# Altium PCB TCM.PcbDoc (part 10 of 10)
Units mm, origin at the board's own origin, x right, y up, seen from the top; angles counter-clockwise.
Board outline 280.25 x 366.95 mm, 6 copper layers (Top, L2, L3, L4, L5, Bot), stack 1.536 mm thick; 503 components, 762 nets, 3201 pads, 1645 vias.
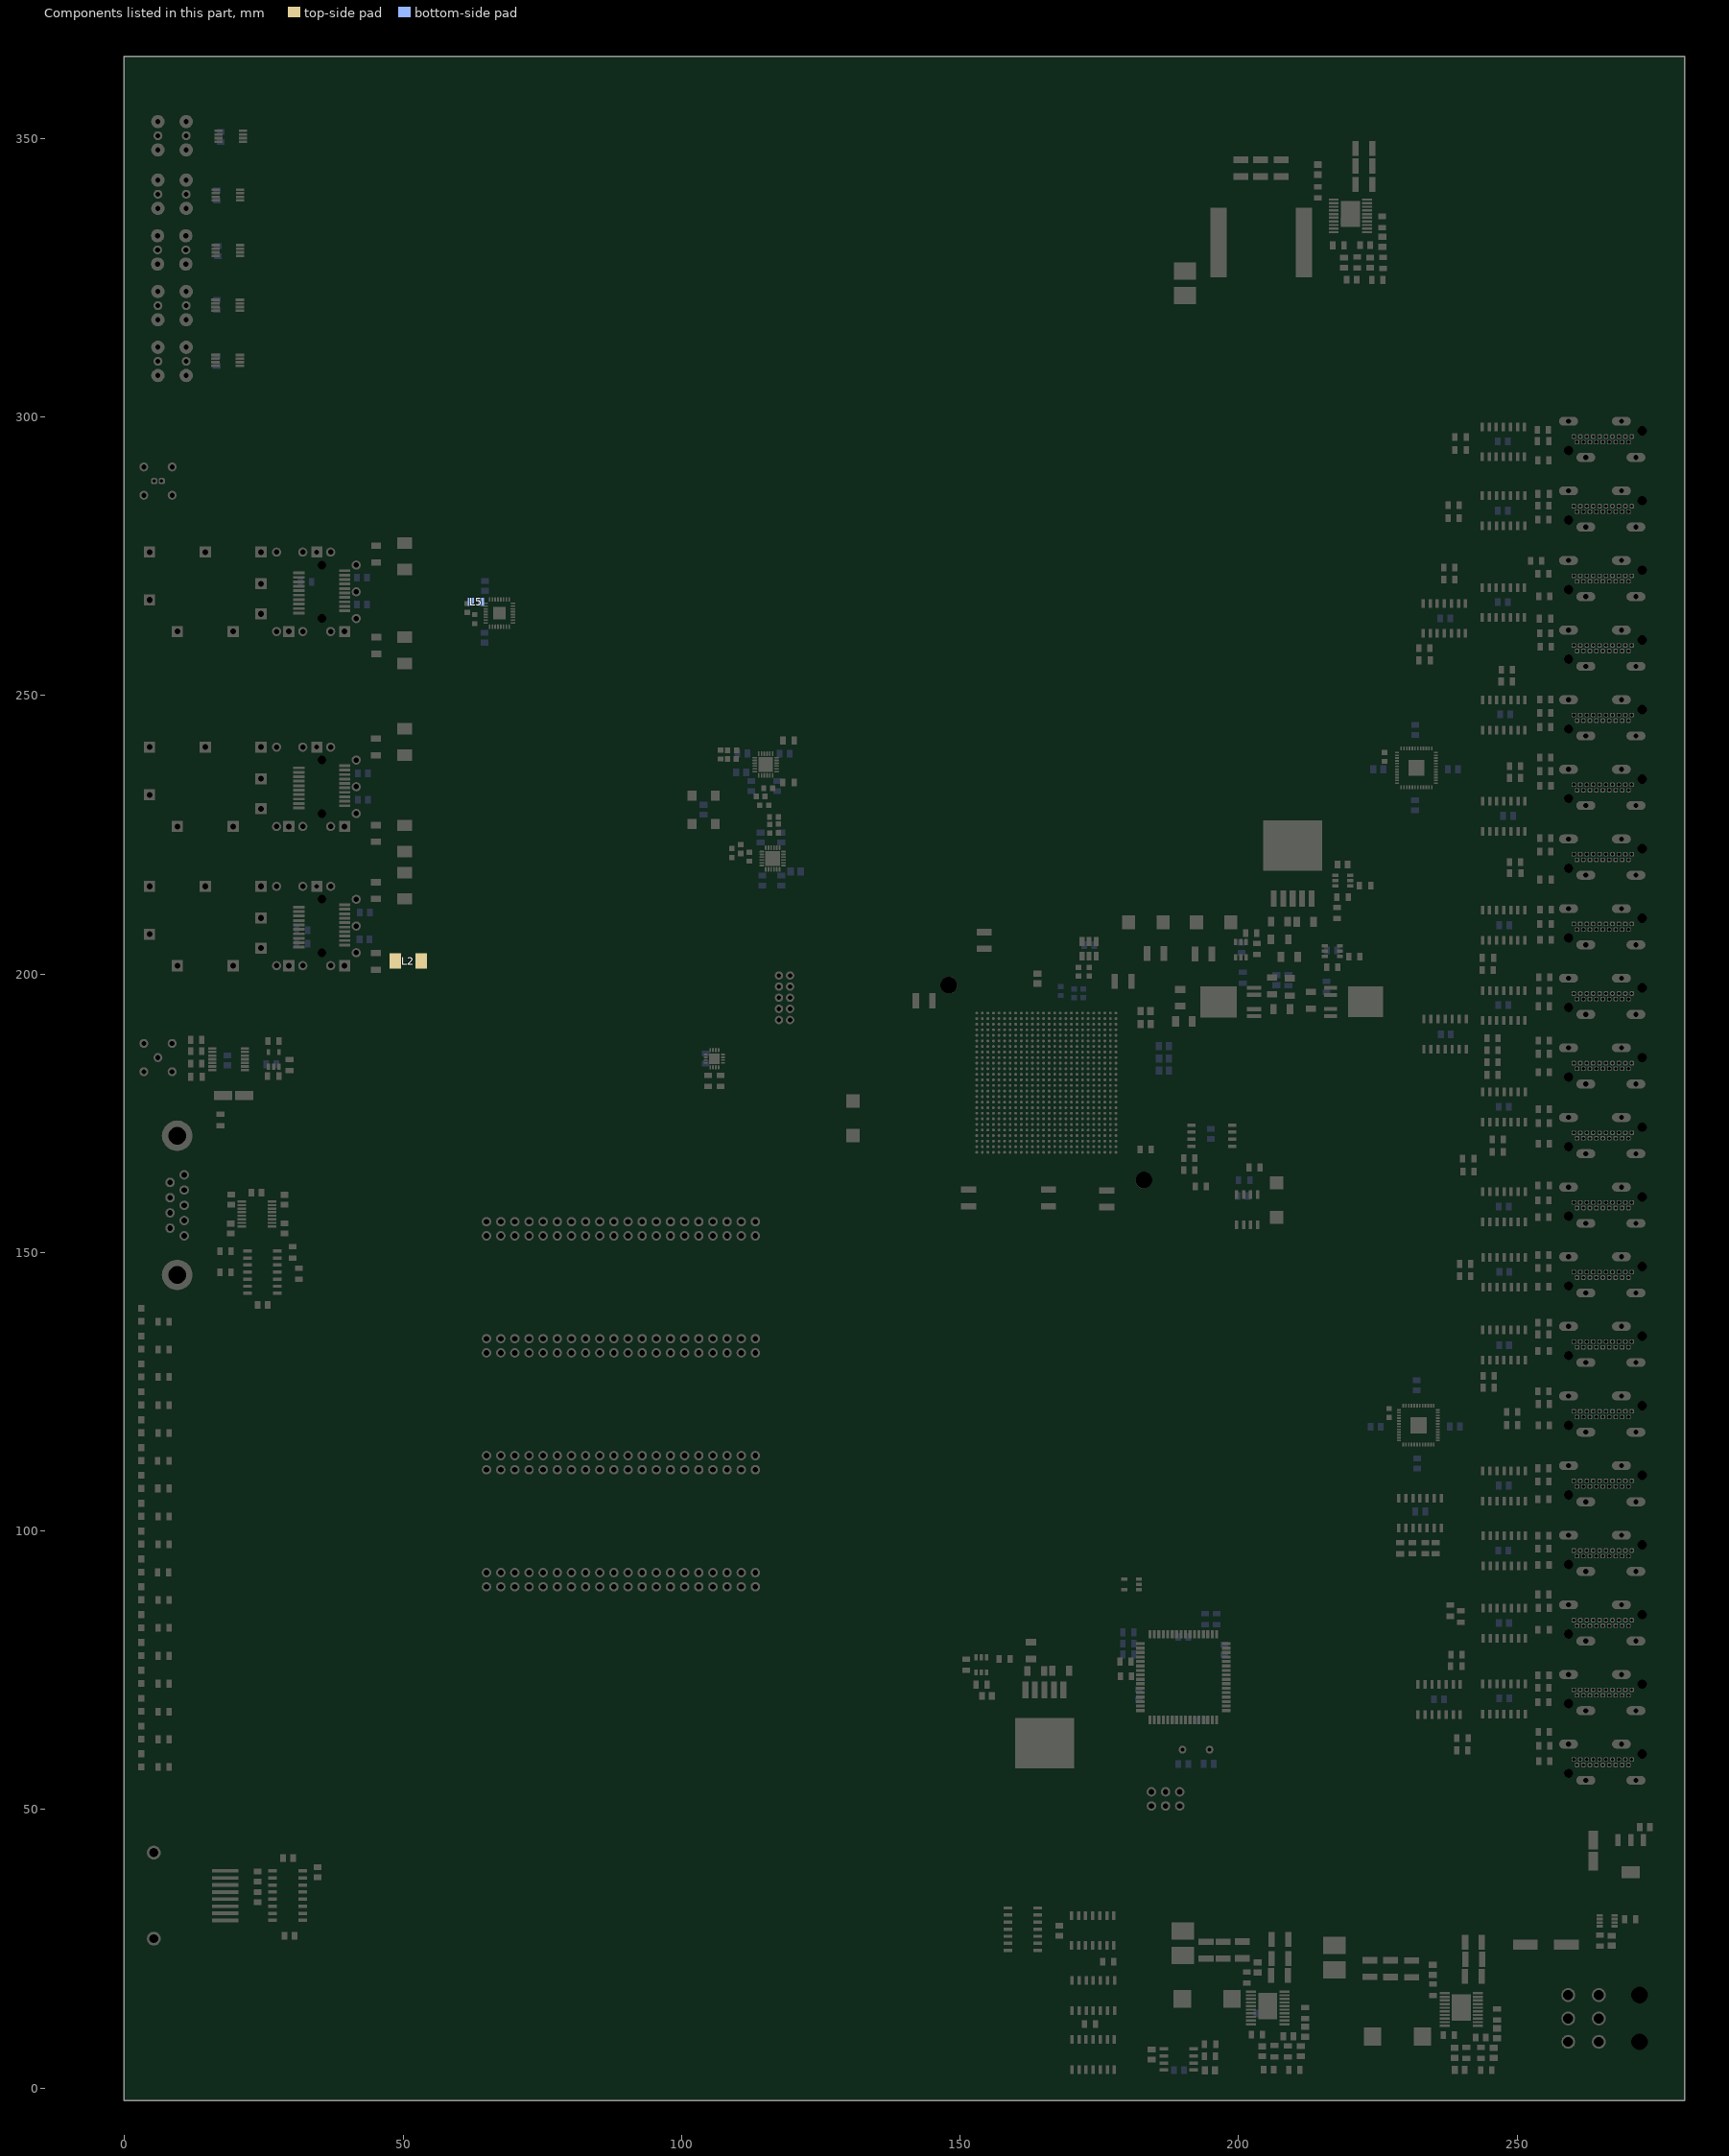
[diagram p14: the components of this part, seen from the top]

## Polygon pours and split planes (outlines as drawn)
DD17_VDD on Bot "Bottom Layer-$Net851" (solid, pour order 2): 28 vertices, not listed, extent 113,217.2 120.1,224.1
DD15_VDD on Bot "Bottom Layer-$Net924" (solid, pour order 1): 49 vertices, not listed, extent 111.16,234.2 118.107,240.7
NetC30_2 on Bot "Bottom Layer-$Net916" (solid, pour order 0): 24 vertices, not listed, extent 63.561,260.75 67.5,269.25
GND on Top "Top Layer-$Net1405" (solid, pour order 9): 42.3,207.62 41.3,207.62 41.3,209.62 42.3,209.62
GND on Top "Top Layer-$Net1407" (solid, pour order 8): 42.3,232.62 41.3,232.62 41.3,234.62 42.3,234.62
NetC159_2 on Top "Top Layer-$Net1510" (solid, pour order 30): 201.629,324.433 188.029,324.433 188.029,344.433 210.429,344.433 210.429,340.333 201.63,340.333 201.629,340.333
NetDA13_11 on Top "Top Layer-$Net1492" (solid, pour order 20): 27 vertices, not listed, extent 230.726,7.15 237.97,17.227
NetDA12_11 on Top "Top Layer-$Net1499" (solid, pour order 18): 203.253,13.814 203.002,13.814 202.963,13.822 201.583,13.822 201.544,13.814 200.746,13.814 200.725,13.828 200.553,13.862 200.381,13.828 200.36,13.814 195.653,13.814 195.653,19.614 203.253,19.614
GND on Top "Top Layer-$Net1406" (solid, pour order 7): 42.3,267.62 41.3,267.62 41.3,269.62 42.3,269.62
NetDA11_11 on Top "Top Layer-$Net1511" (solid, pour order 25): 215.019,324.433 206.119,324.433 206.119,339.833 218.019,339.833 218.019,335.556 215.019,335.556
GND on Top "Top Layer-$Net1252" (solid, pour order 33): 21 vertices, not listed, extent 3.5,200.5 42.3,216.75
GND on Top "Top Layer-$Net1252 1" (solid, pour order 32): 21 vertices, not listed, extent 3.5,225.5 42.3,241.75
GND on Top "Top Layer-$Net1252 2" (solid, pour order 31): 21 vertices, not listed, extent 3.5,260.5 42.3,276.75
GND on Top "Top Layer-$Net1252 3" (solid, pour order 29): 20 vertices, not listed, extent 198.219,334.033 224.019,350.233
GND on Top "Top Layer-$Net1252 4" (solid, pour order 28): 30 vertices, not listed, extent 221.574,12.108 244.276,28.827
GND on Top "Top Layer-$Net1252 5" (solid, pour order 27): 30 vertices, not listed, extent 192.553,12.394 209.536,29.414
P3V3_2 on Top "Top Layer-$Net1201" (solid, pour order 26): 230.226,7.15 215.174,7.15 215.174,22.928 220.774,22.928 220.774,21.228 220.774,21.227 233.174,21.227 233.174,18.028 230.226,18.028 230.226,18.027
P1V8_2 on Top "Top Layer-$Net1204" (solid, pour order 24): 193.953,13.664 187.753,13.664 187.753,26.014 192.253,26.014 192.253,24.514 201.653,24.514 202.153,24.514 202.153,22.114 202.153,21.864 193.953,21.864
VIN_P5V0 on Top "Top Layer-$Net1207" (solid, pour order 23): 22 vertices, not listed, extent 242.014,13.527 247.974,28.028
VIN_P5V0 on Top "Top Layer-$Net1202" (solid, pour order 22): 25 vertices, not listed, extent 207.253,13.814 213.213,28.314
VIN_P5V0 on Top "Top Layer-$Net1253" (solid, pour order 21): 23 vertices, not listed, extent 222.123,335.533 227.419,350.233
P1V0 on Top "Top Layer-$Net1238" (solid, pour order 19): 194.4,206.73 184.4,206.73 184.4,212 194.4,212
P3V3 on Top "Top Layer-$Net985" (solid, pour order 17): 219.274,23.377 215.174,23.377 215.174,31.628 219.274,31.628
P1V0 on Top "Top Layer-$Net1251" (solid, pour order 16): 192.619,316.933 188.019,316.933 188.019,323.733 192.619,323.733
P1V8 on Top "Top Layer-$Net1198" (solid, pour order 15): 192.179,26.424 185.563,26.424 185.563,30.823 192.179,30.823
P1V0 on Top "Top Layer-$Net1237" (solid, pour order 14): 192.9,201.9 185.9,201.9 185.9,205.25 192.9,205.25 192.9,204.8
GND on Top "Top Layer-$Net1252 6" (solid, pour order 13): 208.318,153.2 205.518,153.2 205.518,157.8 208.318,157.8
P3V3 on Top "Top Layer-$Net1225" (solid, pour order 12): 208.318,159.6 205.518,159.6 205.518,164.2 208.318,164.2
GND on Top "Top Layer-$Net1252 7" (solid, pour order 11): 132.2,167.7 129.4,167.7 129.4,172.3 132.2,172.3
P1V8 on Top "Top Layer-$Net1217" (solid, pour order 10): 132.2,174.1 129.4,174.1 129.4,178.7 132.2,178.7
P3V3 on L4 "Mid-Layer 3-No Net 2038" (solid, pour order 3629): 3984 vertices, not listed, extent 0.5,-1.6 279.5,364.1
P1V8_2 on L4 "Mid-Layer 3-No Net 2039" (solid, pour order 1590): 2295 vertices, not listed, extent 190.1,3.1 275.9,204.9
P2V5 on L4 "Mid-Layer 3-No Net 105" (solid, pour order 3523): 1942 vertices, not listed, extent 162.1,79.1 168.9,178.9
P3V3_LDO on L4 "Mid-Layer 3-No Net 104" (solid, pour order 3524): 396 vertices, not listed, extent 178.93,44.122 199.73,83.1
P1V0_LDO on L4 "Mid-Layer 3-No Net 106" (solid, pour order 3522): 364 vertices, not listed, extent 168.1,187.1 187.302,192.102
P1V2_LDO on L4 "Mid-Layer 3-No Net 107" (solid, pour order 3521): 989 vertices, not listed, extent 167.1,191.1 187.302,194.1
P3V3_2 on L4 "Mid-Layer 3-No Net 2040" (solid, pour order 1589): 654 vertices, not listed, extent 210.1,-1.6 279.5,207.258
P1V8 on L5 "Mid-Layer 4-No Net 2107" (solid, pour order 5742): 3833 vertices, not listed, extent 0.5,-1.6 258.769,364.1
P1V0 on L5 "Mid-Layer 4-No Net 89" (solid, pour order 5741): 819 vertices, not listed, extent 161.6,179.1 204.9,328.9
P1V0 on L5 "Mid-Layer 4-No Net 777" (solid, pour order 4963): 846 vertices, not listed, extent 161.4,178.9 205.474,329.1
VIN_P5V0 on L5 "Mid-Layer 4-No Net 2108" (solid, pour order 3633): 4725 vertices, not listed, extent 155.1,-1.6 279.5,364.1
GND on L2 "Mid-Layer 1-No Net 1546" (solid, pour order 38): 109 vertices, not listed, extent 0.5,-1.6 279.5,364.1

## Keep-outs
Keep-Out Layer:
  circle w0.05: c183,163 r1.682
  circle w0.05: c148,198 r1.682
  lines w0.25: 0,-2.1 280,-2.1 ; 0,-2.1 0,364.6 ; 0,-2.1 280,-2.1 ; 0,-2.1 0,364.6 ; 0,364.6 280,364.6 ; 0,364.6 280,364.6 ; 280,-2.1 280,364.6 ; 280,-2.1 280,364.6

## Other copper
Top:
  rectangle net GND: 158.623,56.921 171.729,68.732
Bot:
  rectangle net GND: 229.26,234.086 234.493,239.954
  rectangle net GND: 229.387,115.9 235.28,121.844

## Silkscreen, mask and mechanical layers (free items; w line width, h text height)
Top Overlay:
  lines w0.1: 11.151,181 10.897,181.254 10.897,189.941 11.76,190.805 11.76,195.986 ; 188.6,199.05 188.6,198.825 189.325,198.1 ; 207.62,5.131 207.62,5.867 208.026,6.274 ; 208.35,189.375 212.2,189.375 212.9,190.075 212.9,193.05 ; 213.225,208.325 213.25,208.3 213.25,201.825 ; 222.402,326.161 222.402,327.203 222.783,327.584
  text "N" at 5.512,355.168 h2
  text "P" at 10.136,355.168 h2
  text "Central" at 14.327,353.975 h2
  text "FIT TCM v1.0" at 114.825,347.154 h8
  text "Semi-Central" at 15.011,344.298 h2
  text "INR RAS Moscow 2019" at 114.675,339.229 h8
  text "Vertex" at 15.189,332.506 h2
  text "WUT AGH 2024" at 114.957,330.804 h8
  text "Or C" at 14.605,322.885 h2
  text "P1V0" at 187.299,321.502 h2 r90
  text "Or A" at 15.138,312.548 h2
  text "A0" at 276.303,299.568 h2
  text "LVDS clock" at 10.82,289.357 h2
  text "A1" at 276.008,287.234 h2
  text "Optical clock" at 10.439,278.536 h2
  text "A2" at 276.758,274.459 h2
  text "A3" at 276.608,262.435 h2
  text "A4" at 276.458,249.934 h2
  text "IP BUS" at 14.351,243.053 h2
  text "A5" at 276.685,237.42 h2
  text "A6" at 276.633,224.779 h2
  text "GBT" at 14.2,218.542 h2
  text "A7" at 276.883,212.478 h2
  text "P1V8" at 213.074,202.002 h2 r90
  text "A8" at 276.58,200.135 h2
  text "GND" at 112.227,199.251 h2
  text "P1V2" at 188.902,199.2 h2
  text "3V3" at 121.702,199.001 h2
  text "GND" at 112.227,197.213 h2
  text "TMS" at 121.7,197.058 h2
  text "GND" at 112.227,195.176 h2
  text "TCK" at 121.7,195.114 h2
  text "TDO" at 121.7,193.171 h2
  text "GND" at 112.227,193.138 h2
  text "LASER OUT" at 1.422,191.339 h2
  text "TDI" at 121.7,191.259 h2
  text "GND" at 112.227,191.101 h2
  text "P1V0" at 208.477,189.626 h2
  text "A9" at 276.555,187.189 h2
  text "JTAG" at 116.575,185.001 h2
  text "C0" at 276.777,175.401 h2
  text "Attenuator" at 1.551,175.153 h2
  text "C1" at 277.102,162.626 h2
  text "LA0" at 56.45,154.576 h2
  text "C2" at 277.077,149.526 h2
  text "Input power OK" at 4.267,139.191 h2
  text "C3" at 276.529,137.084 h2
  text "Power Fail" at 4.167,134.336 h2
  text "LA1" at 56.625,133.175 h2
  text "Power good" at 4.701,129.443 h2
  text "C4" at 276.429,124.759 h2
  text "FPGA ready" at 4.42,124.287 h2
  text "PLL locked" at 4.447,119.299 h2
  text "System fail" at 4.42,114.356 h2
  text "C5" at 276.779,112.159 h2
  text "LA2" at 56.675,112.1 h2
  text "Clock input" at 4.213,109.417 h2
  text "Clocking error" at 4.752,104.247 h2
  text "C6" at 276.816,99.958 h2
  text "Module ready" at 5.437,99.878 h2
  text "IP bus Link OK" at 5.563,94.489 h2
  text "LA3" at 56.425,91.151 h2
  text "IP bus activity" at 5.156,89.184 h2
  text "C7" at 276.79,87.181 h2
  text "GBT Rx ready" at 5.183,84.384 h2
  text "GBT Rx Errors" at 4.98,79.274 h2
  text "C8" at 276.915,74.806 h2
  text "GBT Tx data" at 4.828,74.143 h2
  text "GBT Rx data" at 4.802,69.317 h2
  text "A-side  ready" at 4.548,64.14 h2
  text "C9" at 277.115,62.256 h2
  text "C-side  ready" at 4.498,59.339 h2
  text "3V3" at 184.749,56.827 h2 r90
  text "GND" at 188.302,56.751 h2
  text "ATXMEGA ISP" at 195.777,48.776 h2
  text "1" at 179.6,45.8 h2
  text "CLK" at 190.224,44.027 h2 r90
  text "Console" at 10.187,43.79 h2
  text "DATA" at 184.766,43.075 h2 r90
  text "G" at 262.577,17.601 h2
  text "12V" at 254.625,15.85 h2
  text "P1V8" at 187.349,14.202 h2 r90
  text "G" at 262.849,13.676 h2
  text "5V" at 255.525,11.726 h2
  text "P3V3" at 221.924,9.677 h2 r90
  text "G" at 262.502,9.401 h2
  text "5V" at 255.475,7.726 h2
Mechanical 1:
  lines w0.25: 0,-2.1 0,364.6 280,364.6 280,-2.1 0,-2.1

## Text inside footprints (layer, text, board x,y; h text height)
DD6: Mechanical 14 "AF" at 152.7,195.4 h0.6 r270; Mechanical 14 "AE" at 153.7,195.4 h0.6 r270; Mechanical 14 "AD" at 154.7,195.4 h0.6 r270; Mechanical 14 "AC" at 155.7,195.4 h0.6 r270; Mechanical 14 "A" at 177.7,194.9 h0.6 r270; Mechanical 14 "B" at 176.7,194.9 h0.6 r270; Mechanical 14 "C" at 175.7,194.9 h0.6 r270; Mechanical 14 "D" at 174.7,194.9 h0.6 r270; Mechanical 14 "E" at 173.7,194.9 h0.6 r270; Mechanical 14 "F" at 172.7,194.9 h0.6 r270; Mechanical 14 "G" at 171.7,194.9 h0.6 r270; Mechanical 14 "H" at 170.7,194.9 h0.6 r270; Mechanical 14 "J" at 169.7,194.9 h0.6 r270; Mechanical 14 "K" at 168.7,194.9 h0.6 r270; Mechanical 14 "L" at 167.7,194.9 h0.6 r270; Mechanical 14 "M" at 166.7,194.9 h0.6 r270; Mechanical 14 "N" at 165.7,194.9 h0.6 r270; Mechanical 14 "P" at 164.7,194.9 h0.6 r270; Mechanical 14 "R" at 163.7,194.9 h0.6 r270; Mechanical 14 "T" at 162.7,194.9 h0.6 r270; Mechanical 14 "U" at 161.7,194.9 h0.6 r270; Mechanical 14 "V" at 160.7,194.9 h0.6 r270; Mechanical 14 "W" at 159.7,194.9 h0.6 r270; Mechanical 14 "Y" at 158.7,194.9 h0.6 r270; Mechanical 14 "AA" at 157.7,195.4 h0.6 r270; Mechanical 14 "AB" at 156.7,195.4 h0.6 r270; Mechanical 14 "17" at 179.5,176.75 h0.6; Mechanical 14 "22" at 179.5,171.8 h0.6; Mechanical 14 "21" at 179.5,172.75 h0.6; Mechanical 14 "20" at 179.5,173.75 h0.6; Mechanical 14 "19" at 179.5,174.75 h0.6; Mechanical 14 "18" at 179.5,175.75 h0.6; Mechanical 14 "1" at 179.5,192.75 h0.6; Mechanical 14 "6" at 179.5,187.75 h0.6; Mechanical 14 "7" at 179.5,186.75 h0.6; Mechanical 14 "8" at 179.5,185.75 h0.6; Mechanical 14 "9" at 179.5,184.75 h0.6; Mechanical 14 "10" at 179.5,183.75 h0.6; Mechanical 14 "11" at 179.5,182.75 h0.6; Mechanical 14 "12" at 179.5,181.75 h0.6; Mechanical 14 "13" at 179.5,180.75 h0.6; Mechanical 14 "14" at 179.5,179.75 h0.6; Mechanical 14 "15" at 179.5,178.75 h0.6; Mechanical 14 "16" at 179.5,177.75 h0.6; Mechanical 14 "5" at 179.5,188.75 h0.6; Mechanical 14 "4" at 179.5,189.75 h0.6; Mechanical 14 "3" at 179.5,190.75 h0.6; Mechanical 14 "2" at 179.5,191.75 h0.6; Mechanical 14 "23" at 179.5,170.8 h0.6; Mechanical 14 "24" at 179.5,169.8 h0.6; Mechanical 14 "25" at 179.5,168.8 h0.6; Mechanical 14 "26" at 179.5,167.8 h0.6
X1: Top Overlay "BOT" at 3.46,311.27 h1 r270; Top Overlay "TOP" at 8.54,311.27 h1 r270; Mechanical 14 "BOT" at 3.46,311.27 h1 r270; Mechanical 14 "TOP" at 8.54,311.27 h1 r270
X2: Top Overlay "BOT" at 3.46,321.27 h1 r270; Top Overlay "TOP" at 8.54,321.27 h1 r270; Mechanical 14 "BOT" at 3.46,321.27 h1 r270; Mechanical 14 "TOP" at 8.54,321.27 h1 r270
X3: Top Overlay "BOT" at 3.39,331.27 h1 r270; Top Overlay "TOP" at 8.47,331.27 h1 r270; Mechanical 14 "BOT" at 3.39,331.27 h1 r270; Mechanical 14 "TOP" at 8.47,331.27 h1 r270
X4: Top Overlay "BOT" at 3.46,341.27 h1 r270; Top Overlay "TOP" at 8.54,341.27 h1 r270; Mechanical 14 "BOT" at 3.46,341.27 h1 r270; Mechanical 14 "TOP" at 8.54,341.27 h1 r270
X5: Top Overlay "TOP" at 8.54,351.77 h1 r270; Top Overlay "BOT" at 3.46,351.77 h1 r270; Mechanical 14 "TOP" at 8.54,351.77 h1 r270; Mechanical 14 "BOT" at 3.46,351.77 h1 r270
X7: Top Overlay "2" at 272.098,281.9 h1.2 r90; Top Overlay "1" at 271.298,285 h1.2 r90; Mechanical 14 "2" at 272.098,281.9 h1.2 r90; Mechanical 14 "1" at 271.298,285 h1.2 r90; Mechanical 8 "Interior Side Of Back Panel" at 281.798,278.8 h0.5 r90
X8: Top Overlay "1" at 8.124,288.98 h0.97 r180; Top Overlay "2" at 4.392,288.973 h0.97 r180; Mechanical 14 "1" at 8.124,288.98 h0.97 r180; Mechanical 14 "2" at 4.392,288.973 h0.97 r180
X9: Top Overlay "2" at 272.098,219.4 h1.2 r90; Top Overlay "1" at 271.298,222.5 h1.2 r90; Mechanical 14 "2" at 272.098,219.4 h1.2 r90; Mechanical 14 "1" at 271.298,222.5 h1.2 r90; Mechanical 8 "Interior Side Of Back Panel" at 281.798,216.3 h0.5 r90
X15: Top Overlay "1" at 264.032,18.767 h1 r270; Mechanical 14 "1" at 264.032,18.767 h1 r270
X16: Top Overlay "2" at 272.098,156.9 h1.2 r90; Top Overlay "1" at 271.298,160 h1.2 r90; Mechanical 14 "2" at 272.098,156.9 h1.2 r90; Mechanical 14 "1" at 271.298,160 h1.2 r90; Mechanical 8 "Interior Side Of Back Panel" at 281.798,153.8 h0.5 r90
X17: Top Overlay "2" at 272.098,94.4 h1.2 r90; Top Overlay "1" at 271.298,97.5 h1.2 r90; Mechanical 14 "2" at 272.098,94.4 h1.2 r90; Mechanical 14 "1" at 271.298,97.5 h1.2 r90; Mechanical 8 "Interior Side Of Back Panel" at 281.798,91.3 h0.5 r90
X18: Top Overlay "2" at 272.098,269.4 h1.2 r90; Top Overlay "1" at 271.298,272.5 h1.2 r90; Mechanical 14 "2" at 272.098,269.4 h1.2 r90; Mechanical 14 "1" at 271.298,272.5 h1.2 r90; Mechanical 8 "Interior Side Of Back Panel" at 281.798,266.3 h0.5 r90
X19: Top Overlay "2" at 272.098,206.9 h1.2 r90; Top Overlay "1" at 271.298,210 h1.2 r90; Mechanical 14 "2" at 272.098,206.9 h1.2 r90; Mechanical 14 "1" at 271.298,210 h1.2 r90; Mechanical 8 "Interior Side Of Back Panel" at 281.798,203.8 h0.5 r90
X20: Top Overlay "2" at 272.098,144.4 h1.2 r90; Top Overlay "1" at 271.298,147.5 h1.2 r90; Mechanical 14 "2" at 272.098,144.4 h1.2 r90; Mechanical 14 "1" at 271.298,147.5 h1.2 r90; Mechanical 8 "Interior Side Of Back Panel" at 281.798,141.3 h0.5 r90
X21: Top Overlay "2" at 272.098,81.9 h1.2 r90; Top Overlay "1" at 271.298,85 h1.2 r90; Mechanical 14 "2" at 272.098,81.9 h1.2 r90; Mechanical 14 "1" at 271.298,85 h1.2 r90; Mechanical 8 "Interior Side Of Back Panel" at 281.798,78.8 h0.5 r90
X22: Top Overlay "2" at 272.098,256.9 h1.2 r90; Top Overlay "1" at 271.298,260 h1.2 r90; Mechanical 14 "2" at 272.098,256.9 h1.2 r90; Mechanical 14 "1" at 271.298,260 h1.2 r90; Mechanical 8 "Interior Side Of Back Panel" at 281.798,253.8 h0.5 r90
x23: Top Overlay "2" at 272.098,194.4 h1.2 r90; Top Overlay "1" at 271.298,197.5 h1.2 r90; Mechanical 14 "2" at 272.098,194.4 h1.2 r90; Mechanical 14 "1" at 271.298,197.5 h1.2 r90; Mechanical 8 "Interior Side Of Back Panel" at 281.798,191.3 h0.5 r90
X24: Top Overlay "2" at 272.098,131.9 h1.2 r90; Top Overlay "1" at 271.298,135 h1.2 r90; Mechanical 14 "2" at 272.098,131.9 h1.2 r90; Mechanical 14 "1" at 271.298,135 h1.2 r90; Mechanical 8 "Interior Side Of Back Panel" at 281.798,128.8 h0.5 r90
X25: Top Overlay "2" at 272.098,69.4 h1.2 r90; Top Overlay "1" at 271.298,72.5 h1.2 r90; Mechanical 14 "2" at 272.098,69.4 h1.2 r90; Mechanical 14 "1" at 271.298,72.5 h1.2 r90; Mechanical 8 "Interior Side Of Back Panel" at 281.798,66.3 h0.5 r90
X26: Top Overlay "2" at 272.098,244.4 h1.2 r90; Top Overlay "1" at 271.298,247.5 h1.2 r90; Mechanical 14 "2" at 272.098,244.4 h1.2 r90; Mechanical 14 "1" at 271.298,247.5 h1.2 r90; Mechanical 8 "Interior Side Of Back Panel" at 281.798,241.3 h0.5 r90
x27: Top Overlay "2" at 272.098,181.9 h1.2 r90; Top Overlay "1" at 271.298,185 h1.2 r90; Mechanical 14 "2" at 272.098,181.9 h1.2 r90; Mechanical 14 "1" at 271.298,185 h1.2 r90; Mechanical 8 "Interior Side Of Back Panel" at 281.798,178.8 h0.5 r90
X28: Top Overlay "2" at 272.098,119.4 h1.2 r90; Top Overlay "1" at 271.298,122.5 h1.2 r90; Mechanical 14 "2" at 272.098,119.4 h1.2 r90; Mechanical 14 "1" at 271.298,122.5 h1.2 r90; Mechanical 8 "Interior Side Of Back Panel" at 281.798,116.3 h0.5 r90
X29: Top Overlay "2" at 272.098,56.9 h1.2 r90; Top Overlay "1" at 271.298,60 h1.2 r90; Mechanical 14 "2" at 272.098,56.9 h1.2 r90; Mechanical 14 "1" at 271.298,60 h1.2 r90; Mechanical 8 "Interior Side Of Back Panel" at 281.798,53.8 h0.5 r90
X31: Top Overlay "2" at 272.098,294.4 h1.2 r90; Top Overlay "1" at 271.298,297.5 h1.2 r90; Mechanical 14 "2" at 272.098,294.4 h1.2 r90; Mechanical 14 "1" at 271.298,297.5 h1.2 r90; Mechanical 8 "Interior Side Of Back Panel" at 281.798,291.3 h0.5 r90
X32: Top Overlay "2" at 272.098,231.9 h1.2 r90; Top Overlay "1" at 271.298,235 h1.2 r90; Mechanical 14 "2" at 272.098,231.9 h1.2 r90; Mechanical 14 "1" at 271.298,235 h1.2 r90; Mechanical 8 "Interior Side Of Back Panel" at 281.798,228.8 h0.5 r90
X33: Top Overlay "2" at 272.098,169.4 h1.2 r90; Top Overlay "1" at 271.298,172.5 h1.2 r90; Mechanical 14 "2" at 272.098,169.4 h1.2 r90; Mechanical 14 "1" at 271.298,172.5 h1.2 r90; Mechanical 8 "Interior Side Of Back Panel" at 281.798,166.3 h0.5 r90
X34: Top Overlay "1" at 271.298,110 h1.2 r90; Top Overlay "2" at 272.098,106.9 h1.2 r90; Mechanical 14 "1" at 271.298,110 h1.2 r90; Mechanical 14 "2" at 272.098,106.9 h1.2 r90; Mechanical 8 "Interior Side Of Back Panel" at 281.798,103.8 h0.5 r90
X36: Top Overlay "9" at 8.942,166.136 h1.5 r90; Top Overlay "6" at 9.017,149.914 h1.5 r90; Top Overlay "5" at 11.482,166.136 h1.5 r90; Top Overlay "1" at 11.557,150.041 h1.5 r90; Mechanical 14 "5" at 11.482,166.136 h1.5 r90; Mechanical 14 "9" at 8.942,166.136 h1.5 r90; Mechanical 14 "6" at 9.017,149.914 h1.5 r90; Mechanical 14 "1" at 11.557,150.041 h1.5 r90